# KiCad board SONATA-ONE.kicad_pcb (continued)
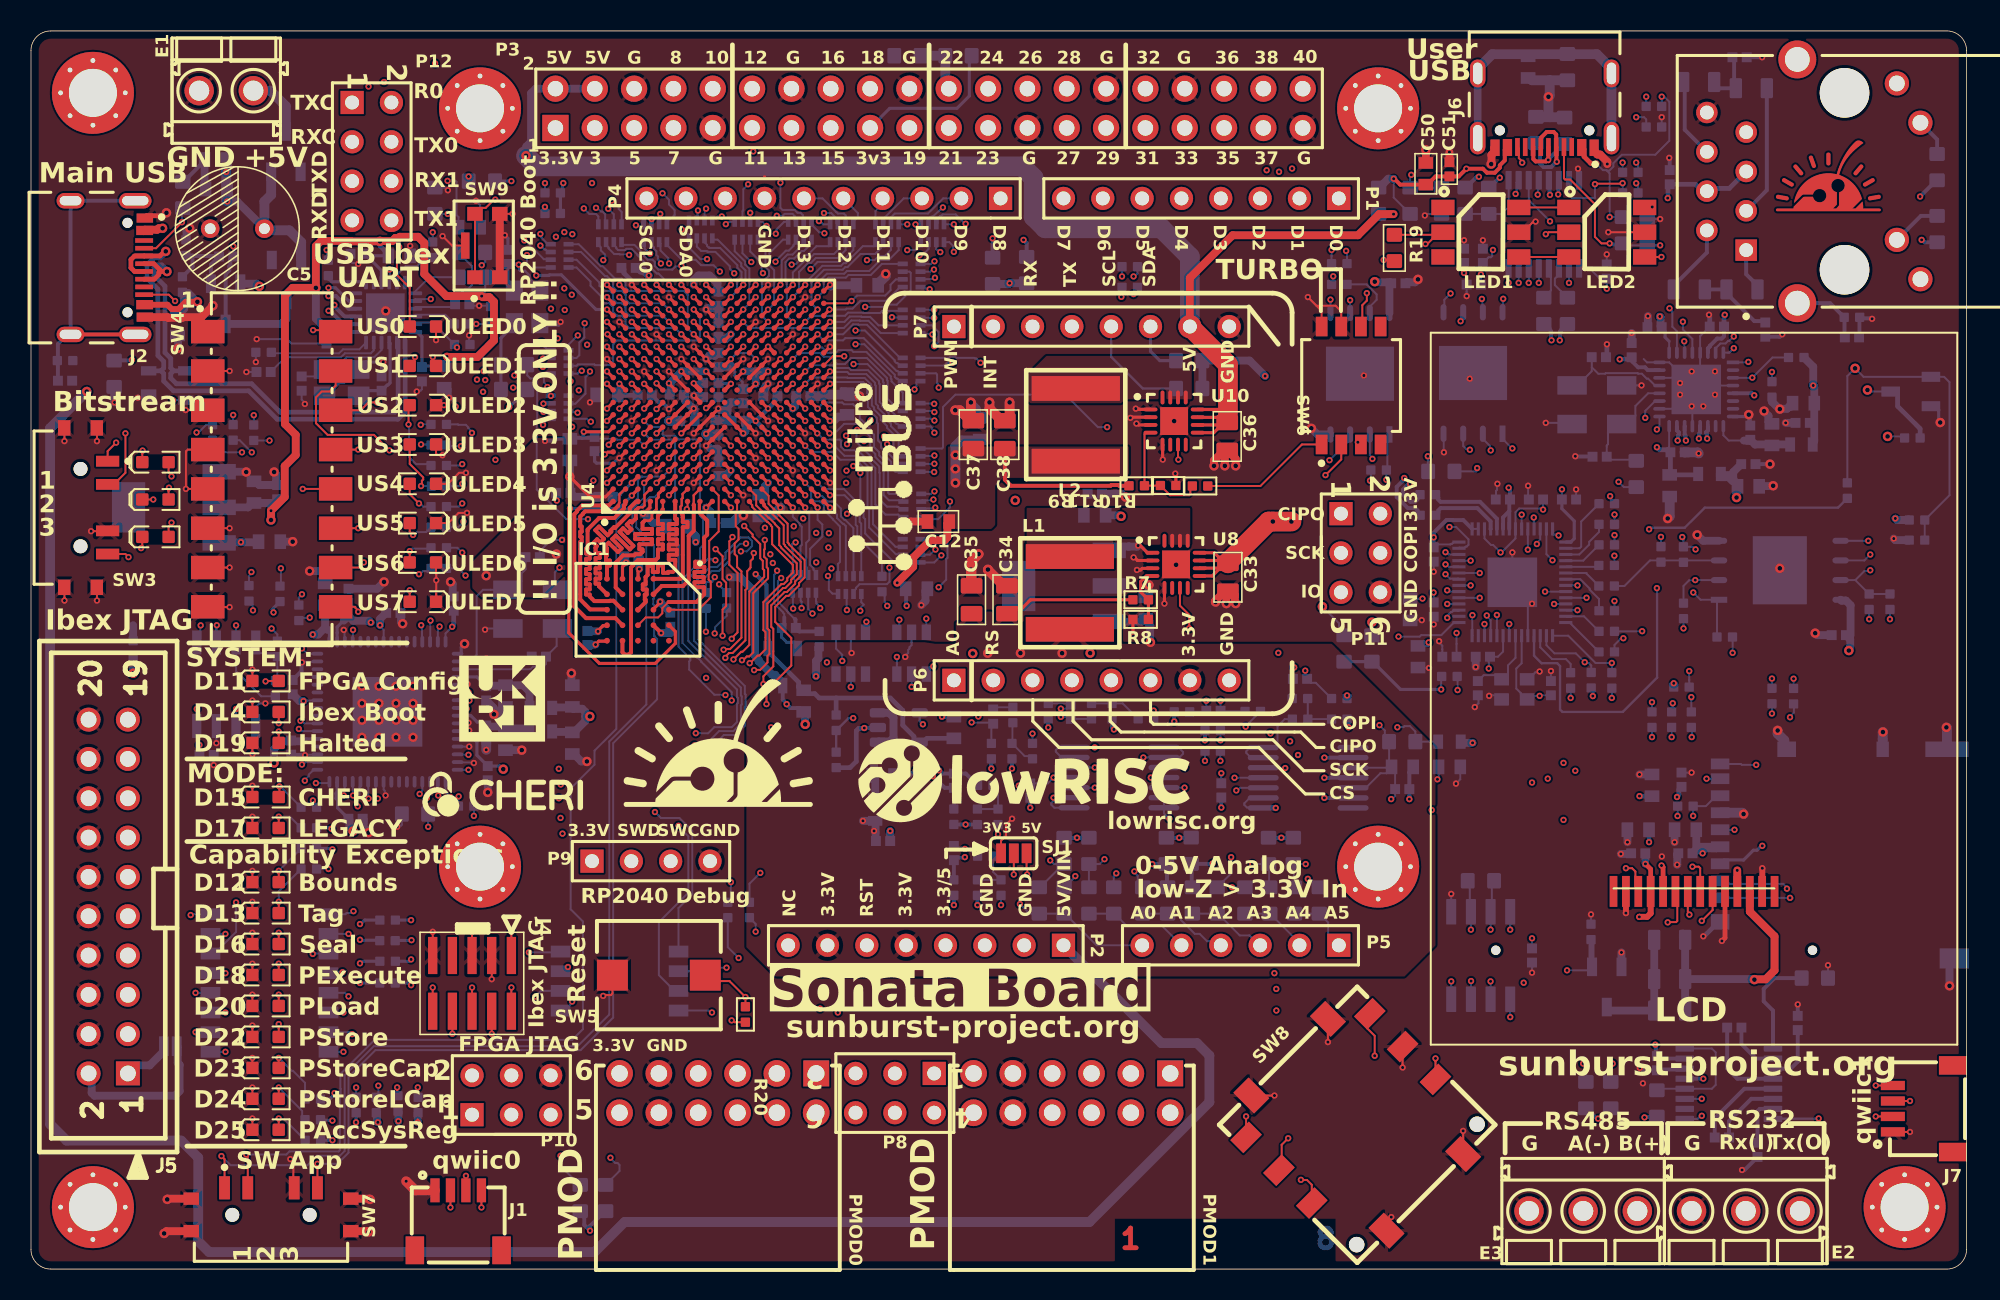
[diagram p0: board, top side]
## Routing (per net, layer and track width the routed paths; a pad name or vN(x,y) marks a point on that pad's centre or on a via; arc(x,y) is an arc through that point) (continued)
/FPGA Analog + 1.8V Bank/HYPERRAM_nRST: length 22.6
  Top w0.203: IC1.A4 41.61,41.19 41.61,40.43 40.32,39.13 36.71,39.13 34.73,41.11 34.73,49.01 34.81,49.08 v2(34.81,49.14) ; U4.C2 39.2,50.39 38.8,49.99 v2(38.8,49.98)
  Bottom w0.203: v2(38.8,49.98) 37.96,49.14 v2(34.81,49.14)
/FPGA Analog + 1.8V Bank/HYPERRAM_RWDS: length 15.5
  Top w0.254: 41.61,49.59 41.61,48.8 41.6,48.8 41.6,48.47 41.71,48.47 41.71,48.14 41.19,48.14 41.19,47.81 41.71,47.81 41.71,47.48 41.19,47.48 41.19,47.15 41.71,47.15 41.71,46.82 41.19,46.82 41.19,46.49 41.71,46.49 41.71,46.16 41.19,46.16 41.19,45.83 41.61,45.83 41.61,45.2 41.46,45.05 41.15,45.05 41.15,44.98 40.82,44.98 40.82,45.46 40.49,45.46 40.49,45.04 40.16,45.04 40.16,45.43 39.83,45.43 39.83,44.85 39.69,44.71 39.69,44.24 39.51,44.24 39.51,43.91 39.76,43.91 39.76,43.58 39.64,43.58 39.64,43.25 39.69,43.25 39.69,43.09 IC1.C3
/FPGA Analog + 1.8V Bank/MICROSD_DET: length 116.7
  Top w0.203: v2(38,50.8) U4.B3
  In4.Cu w0.127: v2(38,50.8) 38,48.25 43.2,43.06 47.7,43.06 48,43.36 53.65,43.36 54.21,42.8 54.21,42.67 54.57,42.31 54.57,40.55 55.53,39.59 55.53,39.39 55.76,39.16 56.62,39.16 56.85,39.39 56.85,39.64 59.48,42.27 66.16,42.27 66.25,42.35 73.47,42.35 73.73,42.61 74.52,42.61 83.44,33.69 83.79,33.69 84.17,33.31 84.17,32.95 84.68,32.45 91.77,32.45 94.94,29.28 98.67,29.28 98.81,29.42 99.13,29.42 99.36,29.19 99.36,28.99 99.99,28.37 99.99,25.26 103.54,21.7 103.8,21.7 105.35,20.16 109.38,20.16 111.42,22.19 v2(111.42,32.58)
  In6.Cu w0.203: v2(111.42,32.58) 111.41,32.58 111.41,32.89 111.29,33.01 109.44,33.01 109.31,33.14 109.31,34.48 110.72,35.89 v2(112.43,35.89)
  Bottom w0.127: v2(112.43,35.89) R166.1 ; SD1.9 110.43,32.63 110.48,32.58 v2(111.42,32.58)
/FPGA Analog + 1.8V Bank/NAVSW_0: length 75.7
  Top w0.127: SW8.1 v2(78.47,9.86)
  Top w0.203: v2(41.2,52.4) U4.F5
  In3.Cu w0.127: v2(36.32,50.95) 36.32,49.52 35.58,48.78 35.58,48.29 38.03,45.83 38.03,45.5 40.05,43.48 40.44,43.48 40.47,43.52 40.8,43.52 42.11,42.2 42.11,41.54 46.65,37 46.65,35.6 50.65,31.59 57.22,31.59 58.73,30.08 58.73,23.84 59.47,23.09 59.47,23.09 59.69,22.88 59.87,22.88 60.12,22.62 67.82,22.62 75.09,15.35 75.09,13.78 75.11,13.77 75.11,13.23 v2(78.47,9.86)
  In6.Cu w0.127: v2(41.2,52.4) 40.81,52.01 37.05,52.01 36.71,51.67 36.71,51.34 v2(36.32,50.95)
/FPGA Analog + 1.8V Bank/NAVSW_1: length 92.6
  Top w0.127: v2(86.78,13.78) 86.78,15.07 86.28,15.56 86.28,16.32 SW8.4
  Top w0.203: v2(39.6,54.8) U4.D8
  In3.Cu w0.127: v2(86.78,13.78) 86.78,9.97 82,5.2 81.9,5.2 81.19,5.91 80.55,5.91 74.84,11.62 74.5,11.62 74.49,11.61 72.65,11.61 72.43,11.84 72.43,14.42 69.3,17.54 63.54,17.54 60.41,20.66 60.41,20.9 59.45,21.86 58.25,21.86 56.55,23.56 51.55,23.56 51.47,23.64 51.47,28.64 45.25,34.86 v2(45.25,36.74)
  Bottom w0.127: v2(39.6,54.8) 39.99,54.41 40.55,54.41 40.79,54.16 40.79,53.92 40.87,53.85 41.6,53.85 41.84,53.61 42.95,53.61 43.19,53.36 43.19,49.42 43.16,49.38 43.16,49.02 43.19,48.98 43.19,48.68 43.4,48.47 43.4,46.76 43.21,46.57 43.21,45.73 42.07,44.59 42.07,40.45 43.03,39.49 43.06,39.49 43.29,39.26 43.29,39.23 45.25,37.27 v2(45.25,36.74)
/FPGA Analog + 1.8V Bank/NAVSW_2: length 79.7
  Top w0.127: v2(81.19,8.45) 80.77,8.03 80.77,6.56 SW8.2
  Top w0.203: v2(38.8,54) U4.C7
  In3.Cu w0.127: v2(38.8,54) 38.41,54.39 37.84,54.39 35.32,51.88 35.32,51.08 35.4,51.01 35.4,50.59 35.32,50.52 35.32,47.92 37.78,45.47 37.78,45.39 41.96,41.21 42.06,41.21 46.27,37.01 46.27,35.62 50.6,31.29 57.17,31.29 58.48,29.98 58.48,23.73 59.22,22.99 59.22,22.98 59.58,22.62 59.77,22.62 60.02,22.37 67.72,22.37 74.84,15.25 74.84,13.68 74.85,13.66 74.85,12.93 79.33,8.45 v2(81.19,8.45)
/FPGA Analog + 1.8V Bank/NAVSW_3: length 85.8
  Top w0.127: SW8.3 82.71,5.44 82.41,5.75 82.03,5.75 v2(82.01,5.76)
  Top w0.203: v2(40.4,54) U4.E7
  In3.Cu w0.127: v2(40.4,54) 40.01,54.39 39.45,54.39 39.21,54.64 39.21,54.95 38.96,55.19 37.04,55.19 36.55,54.71 36.55,54.59 36.09,54.14 36.09,53.94 35.86,53.71 35.66,53.71 34.3,52.35 34.3,50.69 34.42,50.58 34.42,48.98 34.48,48.91 34.48,48.41 37.53,45.36 37.53,45.29 41.85,40.96 41.95,40.96 46.01,36.9 46.01,35.5 50.59,30.92 57.18,30.92 58.22,29.87 58.22,23.63 58.97,22.88 58.97,22.88 59.48,22.37 59.66,22.37 59.91,22.11 67.61,22.11 74.59,15.14 74.59,13.57 74.6,13.56 74.6,12.82 80.94,6.48 81.3,6.48 v2(82.01,5.76)
/FPGA Analog + 1.8V Bank/NAVSW_4: length 93.7
  Top w0.127: v2(90.7,13.61) 90.7,13.43 SW8.6
  Top w0.203: v2(39.6,54) U4.D7
  In3.Cu w0.127: v2(90.7,13.61) 90.7,10.22 85.38,4.89 81.85,4.89 81.08,5.66 80.45,5.66 74.73,11.37 74.61,11.37 74.59,11.36 72.55,11.36 72.08,11.82 72.08,14.4 71.32,15.17 63.12,15.17 57.97,20.32 57.97,21.79 56.45,23.31 51.44,23.31 51.22,23.53 51.22,28.54 44.85,34.9 v2(44.85,37.09)
  Bottom w0.127: v2(39.6,54) 40.01,53.59 41.36,53.59 41.6,53.36 41.6,49.83 41.6,47 41.82,46.78 41.82,40.2 42.58,39.44 42.58,39.34 42.51,39.26 42.51,38.74 44.13,37.11 44.83,37.11 v2(44.85,37.09)
/FPGA Analog + 1.8V Bank/SELSW0: length 70.9
  Top w0.127: v2(12.3,7.3) 12.5,7.1 SW7.1
  Top w0.203: v2(39.6,50.8) U4.D3
  Bottom w0.127: v2(12.3,7.3) 12.89,6.71 17.85,6.71 18.47,7.32 19.96,7.32 20.26,7.62 20.26,12.51 22.14,14.4 35.3,14.4 37.35,16.45 37.35,34.09 39.74,36.48 39.74,46.8 38.84,47.7 38.84,49.1 39.6,49.86 v2(39.6,50.8)
/FPGA Analog + 1.8V Bank/SELSW1: length 70.6
  Top w0.127: SW7.2 14,7.3 v2(13.9,7.4)
  Top w0.203: v2(41.2,51.6) U4.F4
  Bottom w0.127: v2(41.2,51.6) 40.81,51.21 39.45,51.21 39.19,50.95 39.19,49.81 37.8,48.42 37.8,34.9 36.4,33.5 36.4,32.59 34.85,31.05 34.85,23.25 35.65,22.45 35.65,15.5 34.95,14.81 22.19,14.81 19.98,12.6 19.98,11.67 20,11.65 20,11.21 19.95,11.15 19.95,7.67 19.87,7.6 16.69,7.6 16.49,7.4 v2(13.9,7.4)
/FPGA Analog + 1.8V Bank/SELSW2: length 65.4
  Top w0.127: SW7.4 v2(18.5,6.8)
  Top w0.203: v2(41.2,50.8) U4.F3
  Bottom w0.127: v2(18.5,6.8) 19.79,6.8 20.51,7.52 20.51,12.41 22.25,14.15 35.49,14.15 37.6,16.25 37.6,33.98 40.44,36.82 40.44,40.73 40.25,40.91 40.25,42.88 40.19,42.94 40.19,43.31 40.23,43.34 40.23,46.8 39.09,47.93 39.09,49 39.97,49.87 40.27,49.87 v2(41.2,50.8)
/FPGA Analog + 1.8V Bank/USRUSB_OE: length 76.1
  Top w0.203: v2(43.6,50.8) U4.J3
  In3.Cu w0.127: v2(43.6,50.8) 43.6,50.79 43.99,50.39 45.36,50.39 45.61,50.15 45.61,49.84 45.99,49.46 46.35,49.46 47.52,48.29 47.59,48.29 48.28,47.6 50.19,47.6 50.55,47.96 53.4,47.96 53.85,47.51 56.79,47.51 57.35,48.07 60.32,48.07 62.6,50.35 62.6,50.42 63.18,51 63.25,51 71.24,59 77.52,59 80.92,62.39 80.92,63.43 84.6,67.12 97.32,67.12 98,67.8 98.14,67.8 100.84,70.49 101.79,70.49 v2(102.79,71.5)
  Bottom w0.127: 96.76,70.39 U13.3 96.73,69.08 v2(98.1,67.7) ; v2(102.79,71.5) 102.79,71.32 R30.1
/FPGA Analog + 1.8V Bank/USRUSB_RCV: length 69.7
  Top w0.203: v2(43.6,51.6) U4.J4
  In3.Cu w0.127: v2(43.6,51.6) 43.99,51.99 45.36,51.99 45.61,51.75 45.61,51.44 45.85,51.19 51.76,51.19 52.12,50.84 52.12,50.76 54.12,48.76 60.29,48.76 62.09,50.56 62.09,50.63 62.97,51.51 63.04,51.51 71.03,59.5 77.31,59.5 80.41,62.6 80.41,63.64 84.39,67.63 92.44,67.63 94.93,70.12 95.02,70.12 95.25,70.35 95.25,70.44 95.82,71.01 95.82,71.56 96.17,71.91 96.75,71.91 97.31,71.35 v2(97.31,69.42)
  Bottom w0.127: U13.4 97.34,70.32 97.34,69.46 v2(97.31,69.42)
/FPGA Analog + 1.8V Bank/USRUSB_SOFTCN: length 66.2
  Top w0.203: v2(42.8,51.6) U4.H4
  In3.Cu w0.127: v2(42.8,51.6) 43.19,51.21 45.35,51.21 45.6,50.96 45.6,50.65 45.84,50.4 46.15,50.4 46.4,50.16 46.4,49.84 46.65,49.6 46.96,49.6 47.21,49.35 47.21,49.04 47.86,48.39 49.42,48.39 49.71,48.11 50.33,48.11 50.56,48.33 53.07,48.33 53.24,48.5 56.71,48.5 56.82,48.39 60.28,48.39 62.34,50.45 62.34,50.52 63.08,51.26 63.15,51.26 71.14,59.25 77.42,59.25 80.66,62.49 80.66,63.54 84.5,67.38 93.78,67.38 v2(95.88,69.47)
  Bottom w0.127: v2(95.88,69.47) 95.88,69.55 95.94,69.61 95.94,70.22 U13.2
/FPGA Analog + 1.8V Bank/USRUSB_SPD: length 70.9
  Top w0.127: U4.G1 42.4,49.14 v2(42.36,49.1) 42.4,49.06
  In3.Cu w0.127: v2(42.36,49.1) 43.21,48.24 43.27,48.24 43.32,48.18 43.32,46.16 43.54,45.94 43.54,45.88 44.01,45.41 45.2,45.41 45.54,45.06 46.23,45.06 46.41,45.24 46.59,45.24 46.78,45.44 47.11,45.44 47.31,45.64 47.31,46.31 47.58,46.58 49.09,46.58 49.12,46.56 50.63,46.56 51.53,45.66 52.02,45.66 52.07,45.72 55.71,45.72 57.13,47.13 58.16,47.13 58.17,47.14 58.71,47.14 58.71,47.13 60.1,47.13 63.1,50.14 63.1,50.21 63.39,50.5 63.46,50.5 71.45,58.49 77.73,58.49 78.81,59.56 91.2,59.56 94.09,62.46 94.09,62.95 95.26,64.12 98.93,64.12 v2(99.32,63.72)
  Bottom w0.127: v2(99.32,63.72) U13.10
/FPGA Analog + 1.8V Bank/USRUSB_SUS: length 76.2
  Top w0.127: v2(102.79,70.17) 102.75,70.13 101.03,70.13 v2(101,70.1)
  Top w0.203: U4.K2 v2(45.2,50)
  In3.Cu w0.127: v2(45.2,50) 45.25,49.95 45.25,49.7 45.75,49.2 46.22,49.2 46.54,48.88 46.54,48.17 47.2,47.51 47.9,47.51 48.05,47.35 50.37,47.35 50.56,47.15 56.79,47.15 57.45,47.82 60.43,47.82 62.85,50.24 62.85,50.31 63.29,50.75 63.36,50.75 71.35,58.74 77.63,58.74 81.17,62.28 81.17,63.33 83.3,65.46 84.71,65.46 84.77,65.4 85.1,65.4 85.16,65.46 87.05,65.46 87.19,65.59 87.52,65.59 87.66,65.46 99.25,65.46 101,67.21 v2(101,70.1)
  Bottom w0.127: v2(101,70.1) 101,69.2 99.53,69.2 99.33,69.4 U13.7 ; v2(102.79,70.17) 102.79,69.99 R32.1
/FPGA Analog + 1.8V Bank/USRUSB_V_N: length 90.3
  Top w0.203: v2(41.2,53.2) U4.F6
  In1.Cu w0.152: v2(41.2,53.2) 41.2,54.17 42.22,55.19 46.22,55.19 47.64,56.61 52.29,56.61 55.19,59.51 55.19,59.83 58.57,63.2 64.99,63.2 68.8,67.01 73.02,67.01 80.12,59.91 80.12,58.25 80.39,57.98 80.39,57.42 80.12,57.15 80.12,56.44 82.08,54.48 82.08,54.21 82.47,53.82 82.88,53.82 84.24,52.45 84.39,52.45 86.51,50.33 89.36,50.33 91.39,52.37 91.42,52.37 91.65,52.6 91.65,52.63 92.24,53.21 92.24,53.22 92.64,53.63 92.65,53.63 93.8,54.78 93.8,62.21 94.27,62.68 94.27,62.86 94.74,63.33 94.74,65.23 94.77,65.26 94.77,65.6 94.82,65.65 94.82,67.84 96.28,69.3 96.28,69.37 97.02,70.11 97.97,70.11 98.63,69.45 v2(98.63,69.44)
  Bottom w0.254: v2(98.63,69.44) 98.65,69.46 98.65,70.32 U13.6
/FPGA Analog + 1.8V Bank/USRUSB_V_P: length 89.2
  Top w0.203: v2(42,53.2) U4.G6
  In1.Cu w0.152: v2(98.09,69.41) 97.67,69.83 97.14,69.83 96.56,69.26 96.56,69.19 95.1,67.72 95.1,65.2 95.02,65.12 95.02,63.21 94.55,62.74 94.55,62.56 94.08,62.1 94.08,54.66 92.77,53.35 92.75,53.35 92.52,53.11 92.52,53.09 91.93,52.51 91.93,52.49 91.53,52.09 91.51,52.09 89.48,50.05 85.49,50.05 79.84,55.71 79.84,57.26 80.11,57.53 80.11,57.87 79.84,58.14 79.84,59.79 73.38,66.25 68.6,66.25 65.25,62.9 58.66,62.9 57.25,61.49 57.25,61.17 52.4,56.33 47.75,56.33 46.34,54.91 42.34,54.91 41.59,54.17 41.59,53.61 v2(42,53.2)
  Bottom w0.254: v2(98.09,69.41) 98.06,69.44 98.06,70.31 U13.5
/FPGA Analog + 1.8V Bank/USRUSB_VBUSDETECT: length 123.8
  Top w0.203: U4.K1 v2(45.2,49.2)
  In3.Cu w0.127: v2(103.66,74.43) 103.72,74.37 103.72,74.13 103.8,74.04 103.8,73.92 103.39,73.51 103.39,71.78 103.27,71.66 103.27,71.33 103.39,71.21 103.39,70.44 103.27,70.32 103.27,69.99 103.5,69.76 103.63,69.76 104.02,69.38 104.5,69.38 105.67,68.21 105.67,67.7 106.84,66.53 106.84,64.46 108.62,62.68 108.92,62.68 111.68,59.92 111.68,55.9 111.43,55.64 111.43,55.23 111.68,54.98 111.68,52.23 110.44,50.98 104.55,50.98 104.04,50.47 102.36,50.47 101.02,51.82 101.02,52.15 97.96,55.21 96.6,55.21 95.91,54.52 92.18,54.52 91.39,55.31 85.84,55.31 85.71,55.19 82.51,55.19 82.5,55.2 75.65,55.2 73.15,52.7 72.81,52.7 70.2,50.09 70.2,49.88 60.84,40.52 60.51,40.52 60.18,40.2 51.88,40.2 51.82,40.25 51.5,40.25 51.44,40.2 51.17,40.2 51.01,40.04 51.01,38.55 51.09,38.46 51.09,38.14 50.86,37.91 50.73,37.91 49.19,36.37 49.19,36.34 48.96,36.11 48.93,36.11 48.8,35.98 48.8,35.33 48.47,35 v2(47.8,35)
  In4.Cu w0.127: v2(103.66,74.43) 104.31,75.07 v2(104.31,75.75)
  In6.Cu w0.127: v2(45.2,49.2) 45.2,48.3 45.88,47.62 45.99,47.62 46.69,46.92 46.69,46.81 47.1,46.4 47.1,45.16 47.19,45.06 47.19,41.51 47.7,41 47.7,38.8 47.95,38.55 47.95,36.78 47.94,36.77 47.94,35
  Bottom w0.127: R25.1 104.31,74.29 104.17,74.43 v2(103.66,74.43) ; R23.2 v2(104.31,75.75) ; v2(45.2,49.2) 45.22,49.22
/FPGA Analog + 1.8V Bank/USRUSB_VMO: length 70.4
  Top w0.203: v2(42,50.8) U4.G3
  In3.Cu w0.127: v2(96.73,63.72) 94.6,61.6 93.6,61.6 91.3,59.31 78.91,59.31 77.84,58.23 71.7,58.23 67.6,54.14 67.6,53.01 63.77,49.17 62.5,49.17 60.21,46.88 58.61,46.88 58.6,46.89 58.28,46.89 58.27,46.88 57.56,46.88 54.95,44.26 49.26,44.26 49.09,44.09 45.27,44.09 45.05,44.31 44.94,44.31 44.71,44.54 44.71,44.65 44.66,44.69 44.66,44.79 44.3,45.15 43.55,45.15 41.97,46.74 41.97,48.93 41.96,48.94 41.96,49.26 41.97,49.27 41.97,50.77 v2(42,50.8)
  Bottom w0.127: U13.14 v2(96.73,63.72)
/FPGA Analog + 1.8V Bank/USRUSB_VPO: length 72.5
  Top w0.203: v2(42,51.6) U4.G4
  In3.Cu w0.127: v2(42,51.6) 41.61,51.21 41.61,49.05 41.65,49.01 41.65,46.58 44.05,44.18 44.05,44.08 44.28,43.85 44.38,43.85 44.39,43.83 49.19,43.83 49.37,44.01 55.05,44.01 55.78,44.74 58.42,44.74 62.6,48.92 63.87,48.92 67.86,52.9 67.86,54.03 71.8,57.98 77.94,57.98 79.02,59.05 91.41,59.05 93.7,61.35 95,61.35 v2(97.37,63.72)
  Bottom w0.127: v2(97.38,63.72) U13.13
/FPGA Analog + 1.8V Bank/XADC_VREF_N: length 22.1
  Top w0.254: v2(43.6,55.63) 43.63,55.66 43.69,55.66 43.96,55.93 43.96,55.93 44,55.97 U4.J9
  In4.Cu w0.127: v2(48.45,44.65) 48.17,44.37 47.4,44.37 47.38,44.35 47.16,44.35 47.07,44.25 46.53,44.25 46.28,44.5 46.05,44.5 45.88,44.67 45.69,44.67 45.15,45.21 45.15,45.43 44.61,45.97 44.61,46.68 44.16,47.13 44.16,48.8 44.27,48.92 44.27,54.25 44.16,54.37 44.16,55.08 v2(43.6,55.63)
  Bottom w0.127: v2(43.6,55.63) 43.95,55.98 44.14,55.98 44.4,56.24 ; v2(48.45,44.65) 48.45,44.65 48.24,44.44 48.24,43.13 48.83,42.54 48.83,42.51 48.9,42.44 48.9,42.42 49.32,42 49.34,42
  Bottom w0.254: 49.34,42 49.37,41.98 49.37,41.45 C60.2 49.62,41.2 R195.2
/FPGA Analog + 1.8V Bank/XADC_VREF_P: length 23.7
  Top w0.254: U4.K10 v2(45.2,57.2)
  In4.Cu w0.127: v2(48.18,45.13) 48.18,45.06 48.01,44.88 48.01,44.8 47.9,44.69 47.36,44.69 47.27,44.6 47.06,44.6 46.96,44.51 46.64,44.51 46.34,44.8 46.14,44.8 46.02,44.92 45.8,44.92 45.41,45.31 45.41,45.54 44.86,46.08 44.86,46.78 44.41,47.23 44.41,48.7 44.53,48.82 44.53,54.35 44.41,54.47 44.41,54.91 45.2,55.7 v2(45.2,57.2)
  Bottom w0.127: 48.65,42.1 48.65,42.34 48.57,42.41 48.57,42.43 47.98,43.02 47.98,44.55 48,44.56 48,44.87 48.18,45.05 v2(48.18,45.13)
  Bottom w0.203: U14.2 49.5,40.3 49.3,40.5 48.8,40.5 48.47,40.83 C60.1 ; 44.4,57.16 44.44,57.2 v2(45.2,57.2)
  Bottom w0.254: C60.1 48.65,41.6 48.65,42.1
/FPGA Config/CHA_TCK: length 31.6
  In3.Cu w0.127: v2(41.82,28.64) 41.82,29.64 38.24,33.21 36.59,33.21 35.61,34.2 35.47,34.2 35.01,34.65 33.9,34.65 33.65,34.4 29.29,34.4 28.99,34.1 28.99,32.54 28.71,32.26 v2(28.25,32.26)
  Bottom w0.127: SW1.3 41.57,17.97 40.55,18.99 40.55,22.42 42.45,24.32 42.45,27.96 41.82,28.59 v2(41.82,28.64) ; U5.16 v2(28.25,32.26)
/FPGA Config/CHA_TDI: length 29.8
  In3.Cu w0.127: v2(40.3,29.53) 40.3,30.8 38.14,32.96 36.49,32.96 35.51,33.94 35.36,33.94 34.91,34.4 34.01,34.4 33.67,34.06 30.88,34.06 28.68,31.86 28.38,31.86 27.09,30.57 v2(27.09,30.5)
  Bottom w0.127: v2(40.3,29.53) 40.69,29.14 41.88,29.14 42.71,28.31 42.71,24.22 41.82,23.33 SW1.1 ; v2(27.09,30.5) 27.09,30.52 26.77,30.83 U5.17
/FPGA Config/CHA_TDO: length 37.8
  In3.Cu w0.127: v2(44.92,19.47) 44.92,24.72 44.81,24.84 44.81,25.16 44.92,25.28 44.92,27.58 38.77,33.72 36.81,33.72 35.82,34.7 35.68,34.7 35.22,35.16 32.17,35.16 32.11,35.1 29.27,35.1 28.58,34.41 27.16,34.41 27.09,34.33 26.86,34.33 26.27,33.74 26.27,30.63 v2(26.3,30.6)
  Bottom w0.127: v2(44.92,19.47) 43.79,19.47 43.56,19.24 SW1.2 ; v2(26.3,30.6) 26.29,30.61 26.29,31.47 U5.18
/FPGA Config/CHA_TMS: length 39.6
  In3.Cu w0.127: v2(43.98,16.58) 43.98,24.9 42.69,26.19 42.69,29.17 38.39,33.47 36.7,33.47 35.72,34.45 35.57,34.45 35.12,34.91 32.28,34.91 32.21,34.84 29.37,34.84 28.68,34.15 27.67,34.15 27.6,34.08 27.6,32.6 26.69,31.69 26.69,30.44 26.46,30.21 25.87,30.21 25.64,30.44 v2(25.56,30.44)
  Bottom w0.127: U5.19 25.77,30.72 25.56,30.51 v2(25.56,30.44) ; v2(43.98,16.58) 43.9,16.58 43.78,16.7 SW1.4
/FPGA Config/FPGA_CCLK: length 160.9
  Top w0.203: U4.E9 40.8,55.98 40.4,55.58 v2(40.4,55.57)
  In3.Cu w0.127: v2(104.05,41.22) 104.05,37.72 102.54,36.21 102.54,32.78 103.11,32.22 103.11,29.22 98.33,24.45 98.33,20.96 98.21,20.83 98.21,20.2 98.33,20.07 98.33,12.44 90.86,4.97 86.18,4.97 85.59,4.39 81.64,4.39 81.05,4.97 41.29,4.97 34.51,11.75 34.51,14.49 34.03,14.97 34.03,22.73 34.97,23.68 34.97,28.4 34.23,29.15 v2(34.2,29.15)
  In4.Cu w0.127: v2(40.4,55.57) 40.4,56.3 40.11,56.59 37.25,56.59 36.3,57.55 35.4,57.55 35.19,57.76 34.3,57.76 33.97,57.43 33.97,54.69 33.95,54.67 33.95,54.13 33.97,54.11 33.97,53.18 32.93,52.14 32.93,41.98 35.24,39.67 35.24,38.86 35.4,38.71 35.4,38.29 35.24,38.14 35.24,36.28 35.09,36.12 35.09,35.29 35.24,35.14 35.24,33.82 34.73,33.31 34.73,29.68 v2(34.2,29.15)
  Bottom w0.127: v2(104.05,41.22) 104.04,41.21 R65.1
/FPGA Config/FPGA_DONE: length 60.2
  Top w0.203: U4.P10 v2(48.4,57.2)
  In1.Cu w0.127: v2(54.23,54.84) 54.28,54.79 57.83,54.79 58.18,54.44 61.86,54.44 62.58,53.72 70.12,53.72 73.6,50.24 74,50.24 81.46,42.79 90.72,42.79 91.4,43.46 91.62,43.46 91.93,43.77 v2(97.78,43.77)
  In6.Cu w0.127: v2(54.23,54.84) 54.18,54.79 53.9,54.79 53.87,54.75 53.33,54.75 53.23,54.85 52.87,54.85 51.73,55.99 49.61,55.99 v2(48.4,57.2)
  Bottom w0.127: v2(97.78,43.77) U11.9 ; R134.2 84.48,41.27 84.48,41.72 v1(83.4,42.8)
/FPGA Config/FPGA_INITB: length 166.2
  Top w0.203: U4.P7 v2(48.4,54)
  In1.Cu w0.127: v1(86.6,41.8) 89.39,41.8 90.23,40.96 91.15,40.96 91.72,40.4 96.56,40.4 98.36,42.2 v2(98.36,42.97)
  In1.Cu w0.203: v2(98.36,42.97) 99.19,42.14 101.85,42.14 106.58,46.87 106.82,46.87 107.07,47.12 107.07,47.66 107.39,47.97 107.68,47.97 109.61,49.9 109.61,50.07 109.93,50.38 110.09,50.38 110.7,50.99 110.7,54.68 110.4,54.99 110.4,55.43 110.48,55.51 110.48,60.87 113.37,63.77 113.37,69.71 112.51,70.58 112.51,73.03 107.15,78.38 95.99,78.38 92.86,75.25 92.26,75.25 89.13,72.12 85.25,72.12 84.74,72.63 46.84,72.63 46.82,72.65 46.47,72.65 46.45,72.63 38.7,72.63 v2(36.23,70.17)
  In4.Cu w0.127: v2(48.4,54) 47.99,54.41 47.4,54.41 47.19,54.61 47.19,57.36 46.16,58.39 45.84,58.39 45.61,58.16 45.61,58.11 45.52,58.03 45.42,58.03 44.24,59.2 42.64,59.2 42.41,59.44 42.41,59.59 42.39,59.61 42.39,63.89 41.61,64.67 41.61,65.29 41.53,65.37 40.29,65.37 39.72,64.8 36.8,64.8 36.57,65.03 36.57,66.91 36.1,67.38 36.1,68.76 36.23,68.89 v2(36.23,70.17)
  Bottom w0.127: v2(98.36,42.97) U11.11
  Bottom w0.203: 86.65,40.95 R5.2 v1(86.6,41.8) ; 36.19,70.21 v2(36.23,70.17)
/FPGA Config/FPGA_PGMB: length 137.1
  Top w0.203: U4.P9 v2(48.4,55.6)
  In1.Cu w0.127: v2(99.87,42.57) 99.87,43.62 100.3,44.04 100.3,71.34 98.92,72.72 94.66,72.72 94.19,73.2 94.19,73.84 93.72,74.32 93.14,74.32 92.46,73.63 92.46,72.46 91.77,71.78 91.27,71.78 91.19,71.87 90.33,71.87 90.29,71.82 89.87,71.82 89.87,71.83 85.13,71.83 84.66,72.29 47.58,72.29 46.56,71.27 38.08,71.27 36.58,69.78 35.07,69.78 35.06,69.77 31.55,69.77 v2(31.03,70.3)
  In4.Cu w0.127: v2(31.03,70.3) 31.55,69.77 35.53,69.77 35.84,70.08 35.84,70.33 36.07,70.56 36.4,70.56 36.63,70.33 36.63,69.02 36.88,68.76 36.88,66.95 37.35,66.49 44.56,66.49 45.96,65.09 45.96,64.57 46.41,64.12 46.41,61.84 46.64,61.61 48.59,61.61 48.79,61.41 48.79,55.99 v2(48.4,55.6)
  Bottom w0.127: U11.12 v2(99.87,42.57)
  Bottom w0.203: R6.2 v2(31.03,70.3)
/FPGA Config/FPGA_TCK: length 78
  Top w0.203: U4.E10 40.8,56.82 40.4,57.22 v2(40.4,57.23)
  In1.Cu w0.127: v2(35.38,56.78) 35.43,56.83 35.77,56.83 35.84,56.9 36.94,56.9 37.04,56.81 39.76,56.81 39.86,56.9 40.07,56.9 v2(40.4,57.23)
  In4.Cu w0.127: v2(35.38,56.78) 34.79,56.19 34.79,54.82 34.55,54.59 34.55,54.26 34.61,54.21 34.61,53.05 33.44,51.88 33.44,42.34 35.5,40.28 35.5,40.13 35.75,39.88 35.75,39.07 35.9,38.92 35.9,38.08 35.75,37.93 35.75,36.07 35.6,35.91 35.6,35.5 35.75,35.35 35.75,33.61 35.4,33.26 35.4,32.79 35.29,32.68 35.29,19.57 33.69,17.97 32.93,17.97 v2(32.57,17.61)
  In6.Cu w0.127: v2(32.57,17.61) 32.64,17.61 32.84,17.42 32.84,17.42 32.93,17.33 32.93,16.6 30.5,14.16 23.43,14.16 21.01,11.74 20.99,11.74 v2(21,11.73) 23.7,9.03 30.08,9.03 P10.3
  Bottom w0.127: v2(32.57,17.61) 32.93,17.97 SW1.6 ; R119.2 21,11.1 v2(21,11.73)
/FPGA Config/FPGA_TDI: length 79.3
  Top w0.127: 23.65,11.56 v2(23.65,11.74)
  Top w0.203: v2(40.4,58) U4.E11
  In1.Cu w0.127: v2(31.14,56.95) 31.2,56.95 31.44,56.71 32.51,56.71 34.26,58.46 36.2,58.46 36.62,58.04 36.62,58.03 37.04,57.61 40.01,57.61 v2(40.4,58)
  In4.Cu w0.127: v2(32.16,20.46) 32.72,20.46 33.18,20.93 33.18,30.23 32.81,30.6 32.81,39.68 31.28,41.22 31.28,55.86 31.14,56 v2(31.14,56.95)
  In6.Cu w0.127: P10.1 25.41,9.97 v2(23.65,11.74) 23.37,11.46 22.27,11.46 22.04,11.69 22.04,12.01 23.68,13.66 31.81,13.66 31.94,13.78 32.52,13.78 33.53,14.79 33.53,17.43 33.39,17.57 33.39,20.28 33.3,20.28 33.18,20.41 32.84,20.41 32.79,20.46 v2(32.16,20.46)
  Bottom w0.127: SW1.8 34.15,20.46 v2(32.16,20.46) ; v2(23.65,11.74) 23.65,11.25 R118.2
/FPGA Config/FPGA_TDO: length 70.5
  Top w0.127: 22.43,11.77 v2(22.43,11.85)
  Top w0.203: v2(40.4,59.6) U4.E13
  In1.Cu w0.127: v2(34.02,60.14) 34.73,60.14 34.93,59.93 35.57,59.93 35.75,60.12 36.95,60.12 37.07,60 40,60 v2(40.4,59.6)
  In4.Cu w0.127: v2(34.02,60.14) 33.39,60.14 33.26,60.26 32.81,60.26 31.91,59.37 31.91,41.3 33.44,39.77 33.44,30.7 33.69,30.44 33.69,20.5 v2(34.68,19.52)
  In6.Cu w0.127: v2(22.43,11.85) 22.71,12.13 25.97,12.13 26.53,11.57 30.08,11.57 32.04,13.53 32.63,13.53 33.78,14.68 33.78,18.62 v2(34.68,19.52)
  Bottom w0.127: v2(22.43,11.85) 22.43,11.23 R120.2 ; SW1.7 34.47,19.52 v2(34.68,19.52)
/FPGA Config/FPGA_TMS: length 74.1
  Top w0.127: 24.98,11.56 v2(24.98,11.74)
  Top w0.203: v2(40.4,58.8) U4.E12
  In1.Cu w0.127: v2(40.4,58.8) 40.01,58.41 37.04,58.41 36.73,58.71 34.11,58.71 33.14,57.74 v2(31.22,57.74)
  In4.Cu w0.127: v2(31.22,57.74) 31.53,57.43 31.53,41.32 33.18,39.67 33.18,30.59 33.44,30.34 33.44,20.55 32.17,19.29 32.17,17.45 32.41,17.22 33,17.22 33.06,17.28 v2(34.95,17.28)
  In6.Cu w0.127: v2(24.98,11.74) 25.76,10.96 32.58,10.96 P10.5 34.95,11.36 v2(34.95,17.28)
  Bottom w0.127: v2(34.95,17.28) 34.9,17.23 34.9,17.14 34.46,16.7 SW1.5 ; v2(24.98,11.74) 24.98,11.12 R121.2
/FPGA Config/MAINCLK: length 24.7
  Top w0.203: U4.P15 v2(48.4,61.2)
  In3.Cu w0.127: v2(30.89,55.69) 31.49,55.69 33.19,57.39 34.22,57.39 35.22,56.39 35.93,56.39 36.05,56.51 37.86,56.51 38.39,57.04 38.39,57.39 38.59,57.59 39.09,57.59 39.21,57.71 39.21,58.21 39.39,58.39 39.89,58.39 40,58.5 40,59.1 40.1,59.2 40.6,59.2 40.8,59.4 40.8,60.6 41.01,60.81 44.21,60.81 44.99,61.59 48.01,61.59 v2(48.4,61.2)
  Bottom w0.203: R122.2 32.05,56.78 31.35,56.09 31.28,56.09 v2(30.89,55.69)
/FTDI Debug/CHB_GPIOL2: length 26.4
  In6.Cu w0.127: v2(20.74,15.18) 15.99,15.18 15.61,15.56 15.61,31.31 15.99,31.7 16.12,31.7 16.35,31.93 17.5,31.93 17.5,31.81 17.69,31.63 v2(17.69,31.56)
  Bottom w0.127: SW2.7 20.61,15.31 v2(20.74,15.18) ; v2(17.69,31.56) 17.69,31.6 17.94,31.86 17.94,31.95 18.25,32.26 U5.33
/FTDI Debug/CHB_GPIOL3: length 26.9
  In6.Cu w0.127: v2(17.5,32.6) 17.45,32.65 17.2,32.65 17.1,32.76 16.97,32.76 16.66,32.44 16.14,32.44 15.91,32.2 15.56,32.2 15.1,31.74 15.1,15.35 15.92,14.53 19.68,14.53 v2(20.18,14.04)
  Bottom w0.127: SW2.8 v2(20.18,14.04) ; U5.34 17.73,32.76 17.58,32.6 v2(17.5,32.6)
/FTDI Debug/CHB_nRST: length 22.8
  In4.Cu w0.127: v2(20.51,17.62) 20.51,21.1 20.9,21.49 20.9,22.02 20.85,22.07 20.85,22.59 21.22,22.96 21.22,23.16 23.25,25.19 23.25,28.74 23.35,28.83 23.35,31.92 22.59,32.68 21.22,32.68 20.2,31.66 v2(20.2,30.6)
  Bottom w0.127: v2(20.2,30.6) 20.25,30.65 20.25,31.46 U5.30 ; v2(20.51,17.62) 20.28,17.85 SW2.5
/FTDI Debug/CHB_nSRST: length 29.8
  In6.Cu w0.127: v2(20.18,16.58) 21.13,15.62 21.13,15.02 20.9,14.79 16.02,14.79 15.35,15.45 15.35,31.64 15.66,31.95 16.01,31.95 16.25,32.19 17.61,32.19 v2(18.4,31.4)
  Bottom w0.127: U5.32 19.27,31.46 19.22,31.4 v2(18.4,31.4) ; SW2.6 v2(20.18,16.58)
/FTDI Debug/CHB_TCK: length 10.9
  In4.Cu w0.127: v2(20.83,23.12) 22.27,24.57 22.27,27.1 22.51,27.33 22.51,27.85 22.55,27.89 22.55,28.51 22.51,28.55 22.51,28.77 22.4,28.88 v2(22.4,30.4)
  Bottom w0.127: SW2.1 20.31,22.93 20.38,23.01 20.71,23.01 v2(20.83,23.12) ; v2(22.4,30.4) 22.4,30.48 22.27,30.6 U5.26
/FTDI Debug/CHB_TDI: length 12.2
  In4.Cu w0.127: v2(20.51,21.66) 20.51,22.6 20.43,22.67 20.43,25.62 22.03,27.21 22.03,27.73 22.3,27.99 22.3,28.41 22.01,28.7 21.99,28.7 21.8,28.88 v2(21.8,30.4)
  Bottom w0.127: v2(21.8,30.4) 21.79,30.41 21.79,31.47 U5.27 ; SW2.2 v2(20.51,21.66)
/FTDI Debug/CHB_TDO: length 13.4
  In4.Cu w0.127: v2(21.1,29.9) 20.59,29.39 20.59,29.08 18.2,26.69 v2(18.2,20.36)
  Bottom w0.127: v2(21.1,29.9) 21.1,30.32 21.21,30.43 21.21,31.14 21.27,31.2 U5.28 ; SW2.3 18.22,20.39 v2(18.2,20.36)
/FTDI Debug/CHB_TMS: length 14.9
  In4.Cu w0.127: v2(20.12,19.18) 20.12,25.66 21.49,27.04 21.49,27.81 21.3,27.99 21.3,28.41 21.49,28.59 21.49,30.06 21.41,30.15 21.41,30.66 21.19,30.88 21.08,30.88 v2(20.8,30.6)
  Bottom w0.127: v2(20.12,19.18) 19.28,19.18 SW2.4 ; U5.29 20.79,31.47 20.79,30.61 v2(20.8,30.6)
/FTDI Debug/CHC_RXD: length 41.9
  In6.Cu w0.127: v2(17.4,35.42) 16.29,36.54 16.29,40.86 17.34,41.92 17.34,42.21 17.41,42.28 17.41,42.49 18.2,43.28 18.2,43.28 18.35,43.43 18.35,43.97 18.2,44.12 18.2,44.6 18.5,44.89 18.5,45.31 18.2,45.6 18.2,54.17 20.24,56.21 20.24,65.61 19.51,66.35 19.51,71.61 P12.3
  Bottom w0.127: U5.39 17.65,35.26 17.48,35.42 v2(17.4,35.42)
